# Altium PCB RF-BIG-DB5AT_v1.pcbdoc (part 7 of 7)
Units mm, origin at the board's own origin, x right, y up, seen from the top; angles counter-clockwise.
Board outline 281 x 128.57 mm, 2 copper layers (Top Layer, Bottom Layer), stack 1.671 mm thick; 500 components, 260 nets, 1552 pads, 9606 vias.
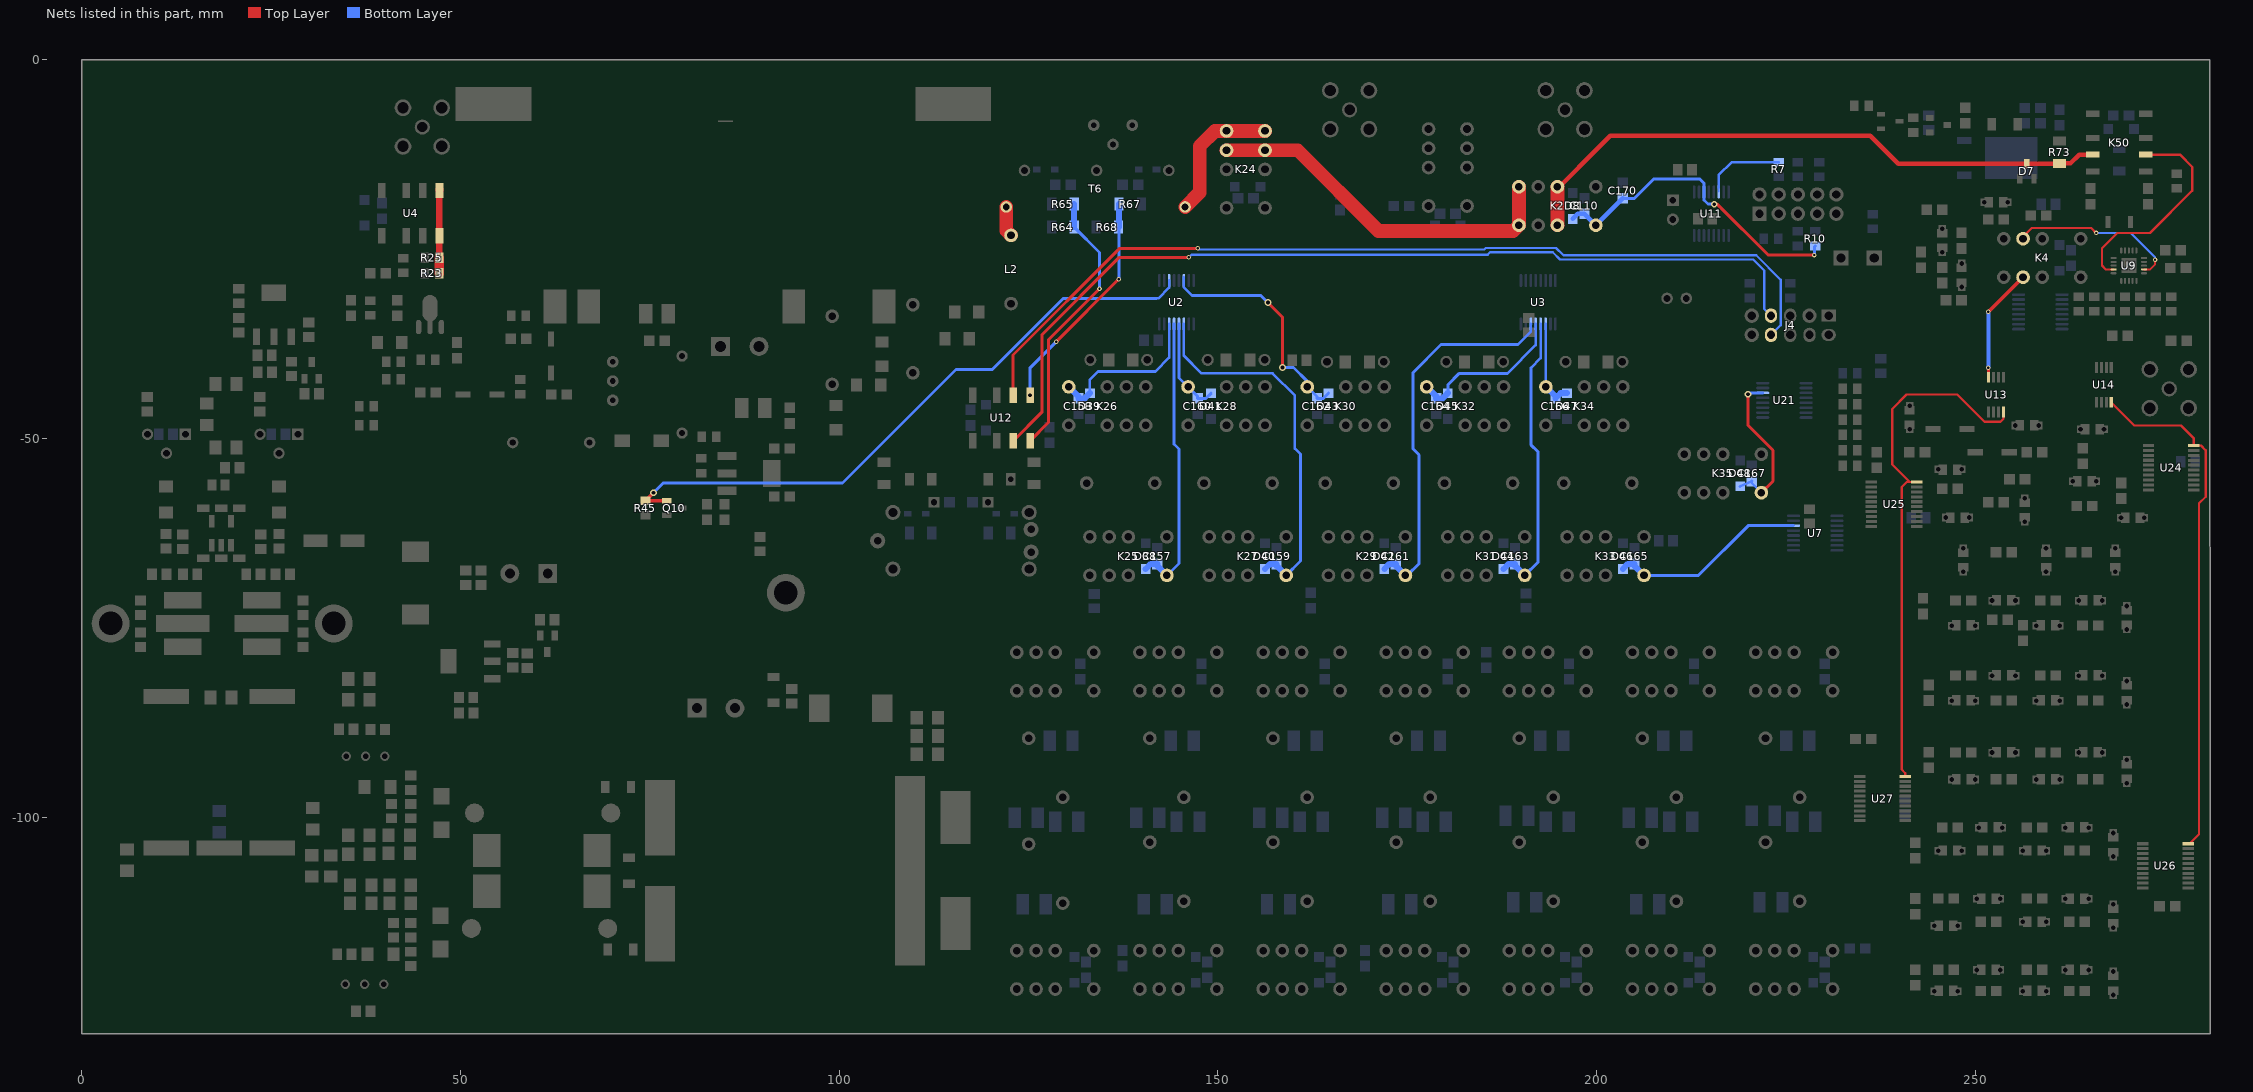
[diagram p7: the nets of this part, all layers, seen from the top]

## Via types
v1: diameter 0.5, hole 0.3, Top Layer to Bottom Layer, tented both sides, 9171 vias
v2: diameter 1, hole 0.61, Top Layer to Bottom Layer, 141 vias
v3: diameter 0.9, hole 0.5, Top Layer to Bottom Layer, 84 vias
v4: diameter 0.61, hole 0.305, Top Layer to Bottom Layer, 83 vias
v5: diameter 0.5, hole 0.3, Top Layer to Bottom Layer, tented bottom, 64 vias
v6: diameter 0.6, hole 0.3, Top Layer to Bottom Layer, 43 vias
v7: diameter 4, hole 3.1, Top Layer to Bottom Layer, 6 vias
v8: diameter 0.7, hole 0.3, Top Layer to Bottom Layer, 4 vias
v9: diameter 0.61, hole 0.306, Top Layer to Bottom Layer, 3 vias
v10: diameter 0.5, hole 0.305, Top Layer to Bottom Layer, 2 vias
v11: diameter 2, hole 1, Top Layer to Bottom Layer, 2 vias
v12: diameter 0.5, hole 0.3, Top Layer to Bottom Layer, 1 vias
v13: diameter 5, hole 3.1, Top Layer to Bottom Layer, 1 vias
v14: diameter 1, hole 0.4, Top Layer to Bottom Layer, 1 vias

## Nets (pads, with @x,y where several pads share a name; then routed paths per layer and width w, separated by ;. In a path a pad name is that pad's centre, name@x,y a point inside that pad or via, vN(x,y) a via of type N, cw(c..) or ccw(c..) an arc to the next point about the centre after c; other vN are vias at no path point) (continued)
NetU13_8: U13.8 U25.10 U27.10 | length 69.3
  Top Layer w0.305: U27.10@240.745,-94.611 240.745,-94.187 240.266,-93.708 240.266,-56.406 240.922,-55.75 241.335,-55.75 ; U25.10@242.269,-55.749 241.336,-55.749 241.335,-55.75 ; U13.8@253.705,-46.496 253.705,-47.389 253.302,-47.793 251.206,-47.793 247.609,-44.196 240.919,-44.196 239.014,-46.101 239.014,-53.43 241.335,-55.75
NetU14_8: U14.8 U24.10 U26.10 | length 68.7
  Top Layer w0.305: U14.8@267.929,-45.226 268.732,-46.03 270.982,-48.28 277.134,-48.28 278.844,-49.99 U24.10@278.845,-50.923 ; U26.10@278.082,-103.502 278.26,-103.502 279.527,-102.235 279.527,-60.579 279.527,-58.561 280.397,-57.691 280.397,-57.312 280.394,-51.54 279.777,-50.923 U24.10@278.845,-50.923
"RX ATT OUT": K4.4 U9.2 | length 22.5
  Top Layer w0.25: U9.2@272.256,-27.678 272.264,-27.686 273.05,-27.686 273.721,-27.015 v9(273.721,-26.416)
  Top Layer w0.305: K4.4@256.286,-23.622 256.286,-23.368 257.444,-22.21 265.288,-22.21 v9(265.938,-22.86)
  Bottom Layer w0.305: v9(265.938,-22.86) 270.51,-22.86 273.721,-26.071 v9(273.721,-26.416)
"RX IN LNA": D7.3 K2.3 K2.10 K50.3 R73.2 | length 80.6
  Top Layer w0.61: K2.3@194.818,-16.764 195.089,-16.763 200.128,-11.681 201.776,-10.033 236.093,-10.033 239.791,-13.731 D7.3@256.794,-13.732 ; D7.3@256.794,-13.732 261.051,-13.732 R73.2@261.112,-13.671 262.554,-13.671 263.703,-12.522 K50.3@265.486,-12.522
  Top Layer w1.8: K2.10@194.818,-21.844 K2.3@194.818,-16.764
"RX LNA ATT": K50.6 U9.14 | length 29.1
  Top Layer w0.25: 267.208,-27.686 U9.14@268.249,-27.686
  Top Layer w0.305: 267.208,-27.686 266.7,-27.178 266.7,-24.892 268.732,-22.86 273.05,-22.86 278.638,-17.272 278.638,-14.162 276.998,-12.522 K50.6@272.486,-12.522
"RX LPF BPF": K4.9 U13.4 | length 15.1
  Top Layer w0.4: v4(251.714,-40.64) 251.755,-40.681 U13.4@251.755,-41.896
  Top Layer w0.5: v4(251.714,-33.274) K4.9@256.286,-28.702
  Bottom Layer w0.5: v4(251.714,-40.64) v4(251.714,-33.274)
"SWR DET BACKW": J4.8 U12.6 | length 122.2
  Top Layer w0.4: U12.6@123.002,-44.292 122.936,-44.226 122.936,-38.989 137.033,-24.892 v4(147.32,-24.892)
  Bottom Layer w0.305: v4(147.32,-24.892) 147.465,-25.037 185.148,-25.037 185.343,-24.842 194.641,-24.842 195.607,-25.808 221.057,-25.808 224.282,-29.033 224.282,-35.052 J4.8@223.012,-36.322
"SWR DET FORW": J4.7 U12.3 | length 122.7
  Top Layer w0.4: U12.3@123.002,-50.292 126.746,-46.548 126.746,-36.322 136.982,-26.086 v4(146.151,-26.086)
  Bottom Layer w0.3: v4(146.151,-26.086) 146.51,-25.727 185.601,-25.727 185.902,-25.426 194.209,-25.426 195.154,-26.371 220.681,-26.371 222.123,-27.813 222.123,-32.893 J4.7@223.012,-33.782
"TUN C 1": C158.1 D39.2 K26.12 U2.6 | length 21.7
  Bottom Layer w0.35: D39.2@133.096,-44.02 133.096,-42.224 134.172,-41.148 141.732,-41.148 143.551,-39.329 U2.6@143.551,-34.87
  Bottom Layer w0.8: K26.12@130.302,-43.18 131.572,-44.45 C158.1@131.572,-44.69 132.426,-44.69 D39.2@133.096,-44.02
"TUN C 2": C160.1 D41.2 K28.12 U2.4 | length 12.9
  Bottom Layer w0.35: U2.4@144.851,-34.87 144.851,-41.981 K28.12@146.05,-43.18
  Bottom Layer w0.4: K28.12@146.05,-43.18 147.32,-44.45 C160.1@147.32,-44.69 148.428,-44.69 D41.2@149.098,-44.02
"TUN C 3": C162.1 D43.2 K30.12 U2.14 | length 31.2
  Top Layer w0.4: v3(156.591,-32.049) 158.53,-33.988 v3(158.53,-40.626)
  Bottom Layer w0.3: U2.14@145.501,-28.702 U2.14@145.501,-29.138 145.501,-30.058 146.558,-31.115
  Bottom Layer w0.4: 146.558,-31.115 155.657,-31.115 v3(156.591,-32.049) ; v3(158.53,-40.626) 159.977,-40.626 161.798,-42.447 K30.12@161.798,-43.18 163.068,-44.45 C162.1@163.068,-44.69 163.922,-44.69 D43.2@164.592,-44.02
"TUN C 4": C164.1 D45.2 K32.12 U3.5 | length 21.5
  Bottom Layer w0.35: 188.214,-41.402 191.953,-37.663 U3.5@191.953,-34.87
  Bottom Layer w0.4: D45.2@180.34,-44.02 180.34,-42.926 181.864,-41.402 188.214,-41.402
  Bottom Layer w0.8: K32.12@177.546,-43.18 178.816,-44.45 C164.1@178.816,-44.69 179.67,-44.69 D45.2@180.34,-44.02
"TUN C 5": C166.1 D47.2 K34.12 U3.3 | length 12.2
  Bottom Layer w0.35: U3.3@193.253,-34.87 193.253,-43.139 K34.12@193.294,-43.18
  Bottom Layer w0.8: K34.12@193.294,-43.18 194.564,-44.45 C166.1@194.564,-44.69 195.234,-44.02 D47.2@196.088,-44.02
"TUN l 1": C157.1 D38.2 K25.12 U2.5 | length 38
  Bottom Layer w0.35: K25.12@143.256,-68.072 144.851,-66.477 144.851,-51.397 144.201,-50.747 U2.5@144.201,-34.87
  Bottom Layer w0.8: D38.2@140.462,-67.232 141.132,-66.562 141.986,-66.562 141.986,-66.802 K25.12@143.256,-68.072
"TUN l 2": C159.1 D40.2 K27.12 U2.3 | length 49.7
  Bottom Layer w0.35: U2.3@145.501,-34.87 145.501,-39.075 147.828,-41.402 157.226,-41.402 160.147,-44.323 160.147,-51.314 160.909,-52.076
  Bottom Layer w0.4: K27.12@159.004,-68.072 160.909,-66.167 160.909,-52.076
  Bottom Layer w0.8: D40.2@156.21,-67.232 156.88,-66.562 157.734,-66.562 157.734,-66.802 K27.12@159.004,-68.072
"TUN l 3": C161.1 D42.2 K29.12 U3.6 | length 50.6
  Bottom Layer w0.35: 189.611,-37.592 191.303,-35.9 U3.6@191.303,-34.87
  Bottom Layer w0.4: K29.12@174.752,-68.072 175.006,-68.072 176.53,-66.548 176.53,-52.16 175.768,-51.398 175.768,-41.275 179.451,-37.592 189.611,-37.592
  Bottom Layer w0.8: D42.2@171.958,-67.232 172.628,-66.562 173.482,-66.562 173.482,-66.802 K29.12@174.752,-68.072
"TUN l 4": C163.1 D44.2 K31.12 U3.4 | length 38.7
  Bottom Layer w0.35: 191.303,-40.67 192.603,-39.37 U3.4@192.603,-34.87
  Bottom Layer w0.4: K31.12@190.5,-68.072 192.278,-66.294 192.278,-51.785 191.303,-50.81 191.303,-40.67
  Bottom Layer w0.8: D44.2@187.706,-67.232 188.376,-66.562 189.23,-66.562 189.23,-66.802 K31.12@190.5,-68.072
"TUN l 5": C165.1 D46.2 K33.12 U7.6 | length 26.3
  Bottom Layer w0.4: K33.12@206.248,-68.072 213.446,-68.072 220.009,-61.509 U7.6@225.988,-61.509
  Bottom Layer w0.8: D46.2@203.454,-67.232 204.124,-66.562 204.978,-66.562 204.978,-66.802 K33.12@206.248,-68.072
"TUN T": C167.1 D48.2 K35.12 U21.14 | length 20.7
  Top Layer w0.4: v3(219.964,-44.146) 219.964,-48.26 223.266,-51.562 223.266,-55.626 K35.12@221.742,-57.15
  Bottom Layer w0.305: C167.1@220.472,-55.64 220.472,-55.88 K35.12@221.742,-57.15
  Bottom Layer w0.35: v3(219.964,-44.146) 220.127,-43.983 U21.14@221.924,-43.983
  Bottom Layer w0.4: D48.2@218.948,-56.31 C167.1@220.472,-55.64
"TUNE OUT": R7.2 U11.6 | length 10.8
  Bottom Layer w0.2: U11.6@216.113,-17.454 U11.6@216.113,-16.891
  Bottom Layer w0.35: U11.6@216.113,-16.891 216.113,-15.234 217.835,-13.512 R7.2@224.028,-13.512
"TX LNA BYPASS": K2.5 K2.8 K24.4 K24.9 | length 48.4
  Top Layer w1.8: K24.9@151.13,-11.938 K24.4@156.21,-11.938 160.528,-11.938 171.196,-22.606 188.976,-22.606 K2.8@189.738,-21.844 K2.5@189.738,-16.764
"TX PTT OUT": C110.1 C170.2 D8.2 K2.12 R10.1 U11.3 | length 42
  Top Layer w0.4: v3(215.519,-19.064) 215.914,-19.064 222.631,-25.781 v6(228.727,-25.781)
  Bottom Layer w0.35: U11.3@214.163,-17.454 214.163,-18.527 214.686,-19.05 215.505,-19.05 v3(215.519,-19.064)
  Bottom Layer w0.4: C170.2@203.454,-18.302 204.964,-18.302 207.518,-15.748 213.614,-15.748 214.163,-16.297 U11.3@214.163,-17.454 ; v6(228.727,-25.781) 228.727,-24.715 R10.1@228.854,-24.588
  Bottom Layer w0.61: D8.2@196.85,-21.004 197.52,-20.334 C110.1@198.374,-20.334 ; C110.1@198.374,-20.333 K2.12@199.898,-21.844 C170.2@203.454,-18.301
"VHF AMP BIAS_ON": Q10.1 R45.2 U2.11 | length 84.5
  Top Layer w0.5: v3@75.438,-57.2 R45.2@74.422,-58.216 74.438,-58.232 Q10.1@77.232,-58.232
  Bottom Layer w0.35: 141.87,-31.496 142.149,-31.496 143.551,-30.094 U2.11@143.551,-29.138
  Bottom Layer w0.4: v3(75.489,-57.15) 76.759,-55.88 100.427,-55.88 115.413,-40.894 120.21,-40.894 129.608,-31.496 141.87,-31.496
"VHF AMP_IN": R23.2 R25.2 U4.4 U4.5 | length 13.1
  Top Layer w0.8: R23.2@47.194,-28.194 R25.2@47.194,-26.162 47.194,-17.271 U4.5@47.224,-17.241
  Top Layer w1: U4.5@47.224,-17.241 U4.5@47.224,-17.114
  Top Layer w1.2: R23.2@47.194,-28.194 R25.2@47.194,-26.162
"VHF BPF_OUT": L2.2 T6.1 | length 4
  Top Layer w1.8: T6.1@122.047,-19.431 122.047,-22.551 L2.2@122.682,-23.186
"VHF SWR DET BACKW": R67.1 R68.1 U12.5 | length 30.1
  Top Layer w0.4: v4(128.651,-37.211) v4(136.906,-28.956)
  Bottom Layer w0.4: v3(125.202,-44.292) 125.202,-40.66 v4(128.651,-37.211) ; v4(136.906,-28.956) 136.952,-28.91 R68.1@136.952,-22.098
  Bottom Layer w0.8: R68.1@136.951,-22.098 R67.1@136.951,-19.05
"VHF SWR DET FORW": R64.2 R65.1 U12.4 | length 36.4
  Top Layer w0.4: U12.4@125.202,-50.292 127.635,-47.859 127.635,-36.957 v4(134.366,-30.226)
  Bottom Layer w0.4: R64.2@131.019,-22.098 134.366,-25.446 v4(134.366,-30.226)
  Bottom Layer w0.8: R64.2@131.019,-22.098 R65.1@131.019,-19.05
"VHF SWR_OUT": K24.5 K24.8 T6.2 | length 18.3
  Top Layer w1.8: T6.2@145.669,-19.431 147.574,-17.526 147.574,-11.43 149.606,-9.398 K24.8@151.13,-9.398 K24.5@156.21,-9.398
pads on no net: K25.5 K25.8 K26.3 K26.10 K27.5 K27.8 K28.3 K28.10 K29.5 K29.8 K30.3 K30.10 K31.5 K31.8 K32.3 K32.10 K33.5 K33.8 K34.3 K34.10 Q8.5 R66.1 T201.5 U2.9 U3.11 U3.12 U3.13 U3.14
copper on no net:
  other v1: 218.372,-51.435

## Polygon pours and split planes (outlines as drawn)
no net on Mechanical 1 (solid, remove dead copper): 36.576,-69.215 36.576,-79.629 0,-79.629 0,-69.215
no net on Top Solder (solid): 52.959,-118.999 68.58,-118.999 68.58,-124.61 52.959,-124.61
GND on Top Solder (solid, pour order 8): 52.959,-89.558 68.58,-89.558 68.58,-95.09 52.959,-95.09
GND on Bottom Layer "Top Layer-GND" (solid, remove dead copper, pour order 6): 0,-0.389 0,-128.913 281.635,-128.913 281.432,-128.71 281.432,-0.389
GND on Top Layer "Top Layer-GND" (solid, remove dead copper, pour order 4): 0,-0.389 0,-128.5 281,-128.5 281,-0.389

## Keep-outs
Keep-Out Layer:
  lines w0.15: 8.797,-9.902 8.797,-15.494 8.784,-15.507 ccw(c14.097,-12.72) 19.4,-15.527 ; 8.8,-9.902 cw(c14.097,-12.72) 19.395,-9.903 ; 19.397,-15.527 19.397,-9.902
  lines w0.2: 49.784,-29.718 49.784,-8.636 119.761,-8.636 119.761,-29.718 49.784,-29.718
  lines w0.254: 0,-128.5 281,-128.5 281,0 0,0 0,-128.5

## Other copper
Top Layer:
  pour cut-out: 129.032,-40.767 204.73,-40.767 204.73,-69.436 129.032,-69.436
  text "TOP" at 6.285,-127.889 h1
Bottom Layer:
  pour cut-out: 210.575,-51.955 210.584,-51.964 210.584,-57.049 217.17,-57.049 217.413,-57.292 218.698,-56.007 221.534,-56.007 221.534,-53.219 221.54,-53.213 221.491,-53.165 218.694,-53.165 218.694,-52.953 217.696,-51.955
  pour cut-out: 129.032,-40.67 204.72,-40.67 204.72,-69.469 129.032,-69.469
  text "BOT" at 8.97,-127.889 h1

## Silkscreen, mask and mechanical layers (free items; w line width, h text height)
Top Overlay:
  lines w0.254: 119.38,-126.2 232.38,-126.2 232.38,-76.2 119.38,-76.2 119.38,-126.2 ; 129.022,-70.485 223.022,-70.485 223.022,-33.655 129.022,-33.655 129.022,-70.485
  text "DAC" at 42.291,-4.064 h2
  text "External" at 219.583,-13.081 h2
  text "Ant 2" at 191.516,-13.208 h2
  text "Ant 1" at 163.449,-13.335 h2
  text "-" at 80.645,-35.941 h2.03 r180
  text "+" at 94.234,-36.068 h2.03 r180
  text "ADC" at 273.05,-49.53 h2
  text "2m" at 266.954,-54.102 h2.03
  text "HPF" at 273.685,-66.548 h2.03
  text "10m" at 273.685,-73.406 h2.03
  text "Transceiver Wolf  RF-UNIT-BIG (mod. DB5AT) v1" at 122.942,-73.914 h2.5
  text "12m" at 273.685,-76.073 h2.03
  text "15m" at 273.685,-81.915 h2.03
  text "17m" at 273.685,-84.582 h2.03
  text "20m" at 273.685,-87.249 h2.03
  text "BN43-202" at 10.541,-95.377 h2
  text "30m" at 273.685,-95.758 h2.03
  text "40m" at 233.68,-105.664 h2.03
  text "80m" at 233.68,-113.792 h2.03
  text "DB5AT" at 5.969,-122.301 h2
  text "160m" at 233.68,-122.555 h2.03
  text "BN43-7051" at 84.328,-124.587 h2
  text "05.11.2021" at 5.842,-125.73 h2
  text "AFT05MP075NR1" at 48.768,-127.381 h2
Bottom Overlay:
  text "External" at 233.68,-11.811 h2
  text "Ant 1" at 171.323,-13.335 h2
  text "Ant 2" at 200.533,-13.462 h2